# Altium PCB old-CPU-board-multi.PcbDoc (part 1 of 3)
Units mil, origin at the board's own origin, x right, y up, seen from the top; angles counter-clockwise.
Board outline 4897 x 3097 mil, 5 copper layers (L1, L1-2, L2, L3, L4); 329 components, 255 nets, 1009 pads, 327 vias.
Unrouted connection lines stored in the file: 94.
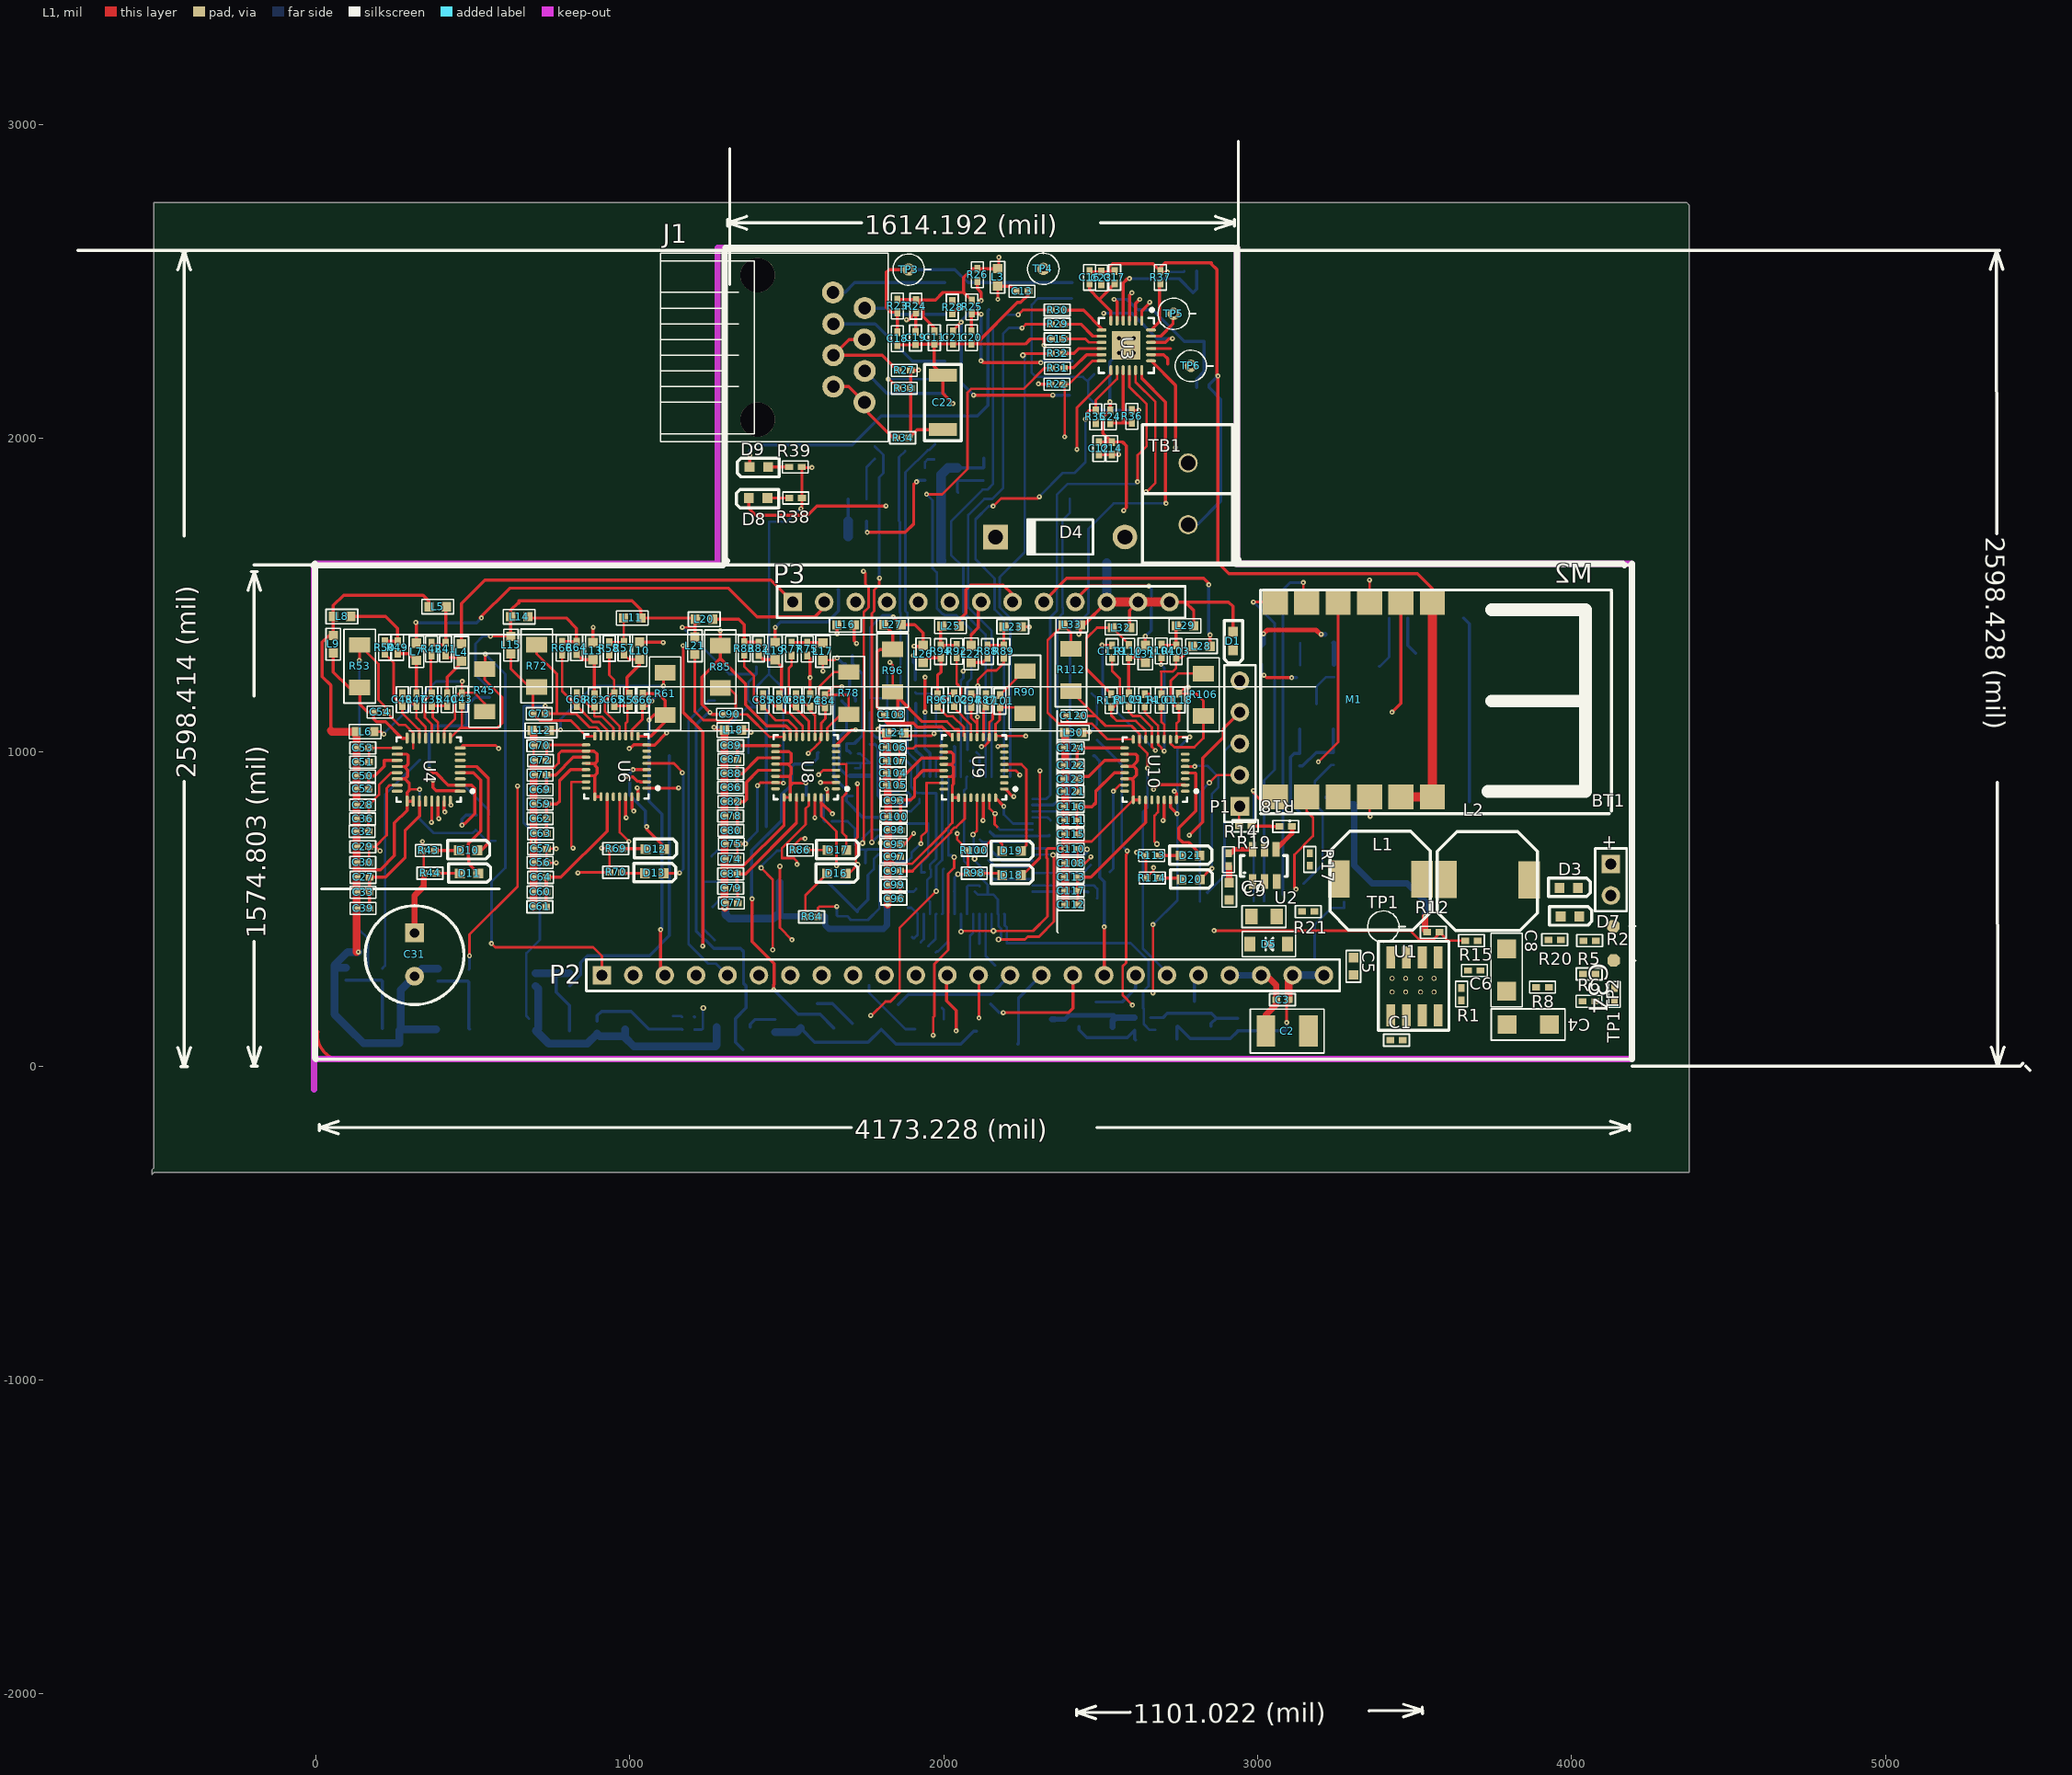
[diagram p0: L1 view]
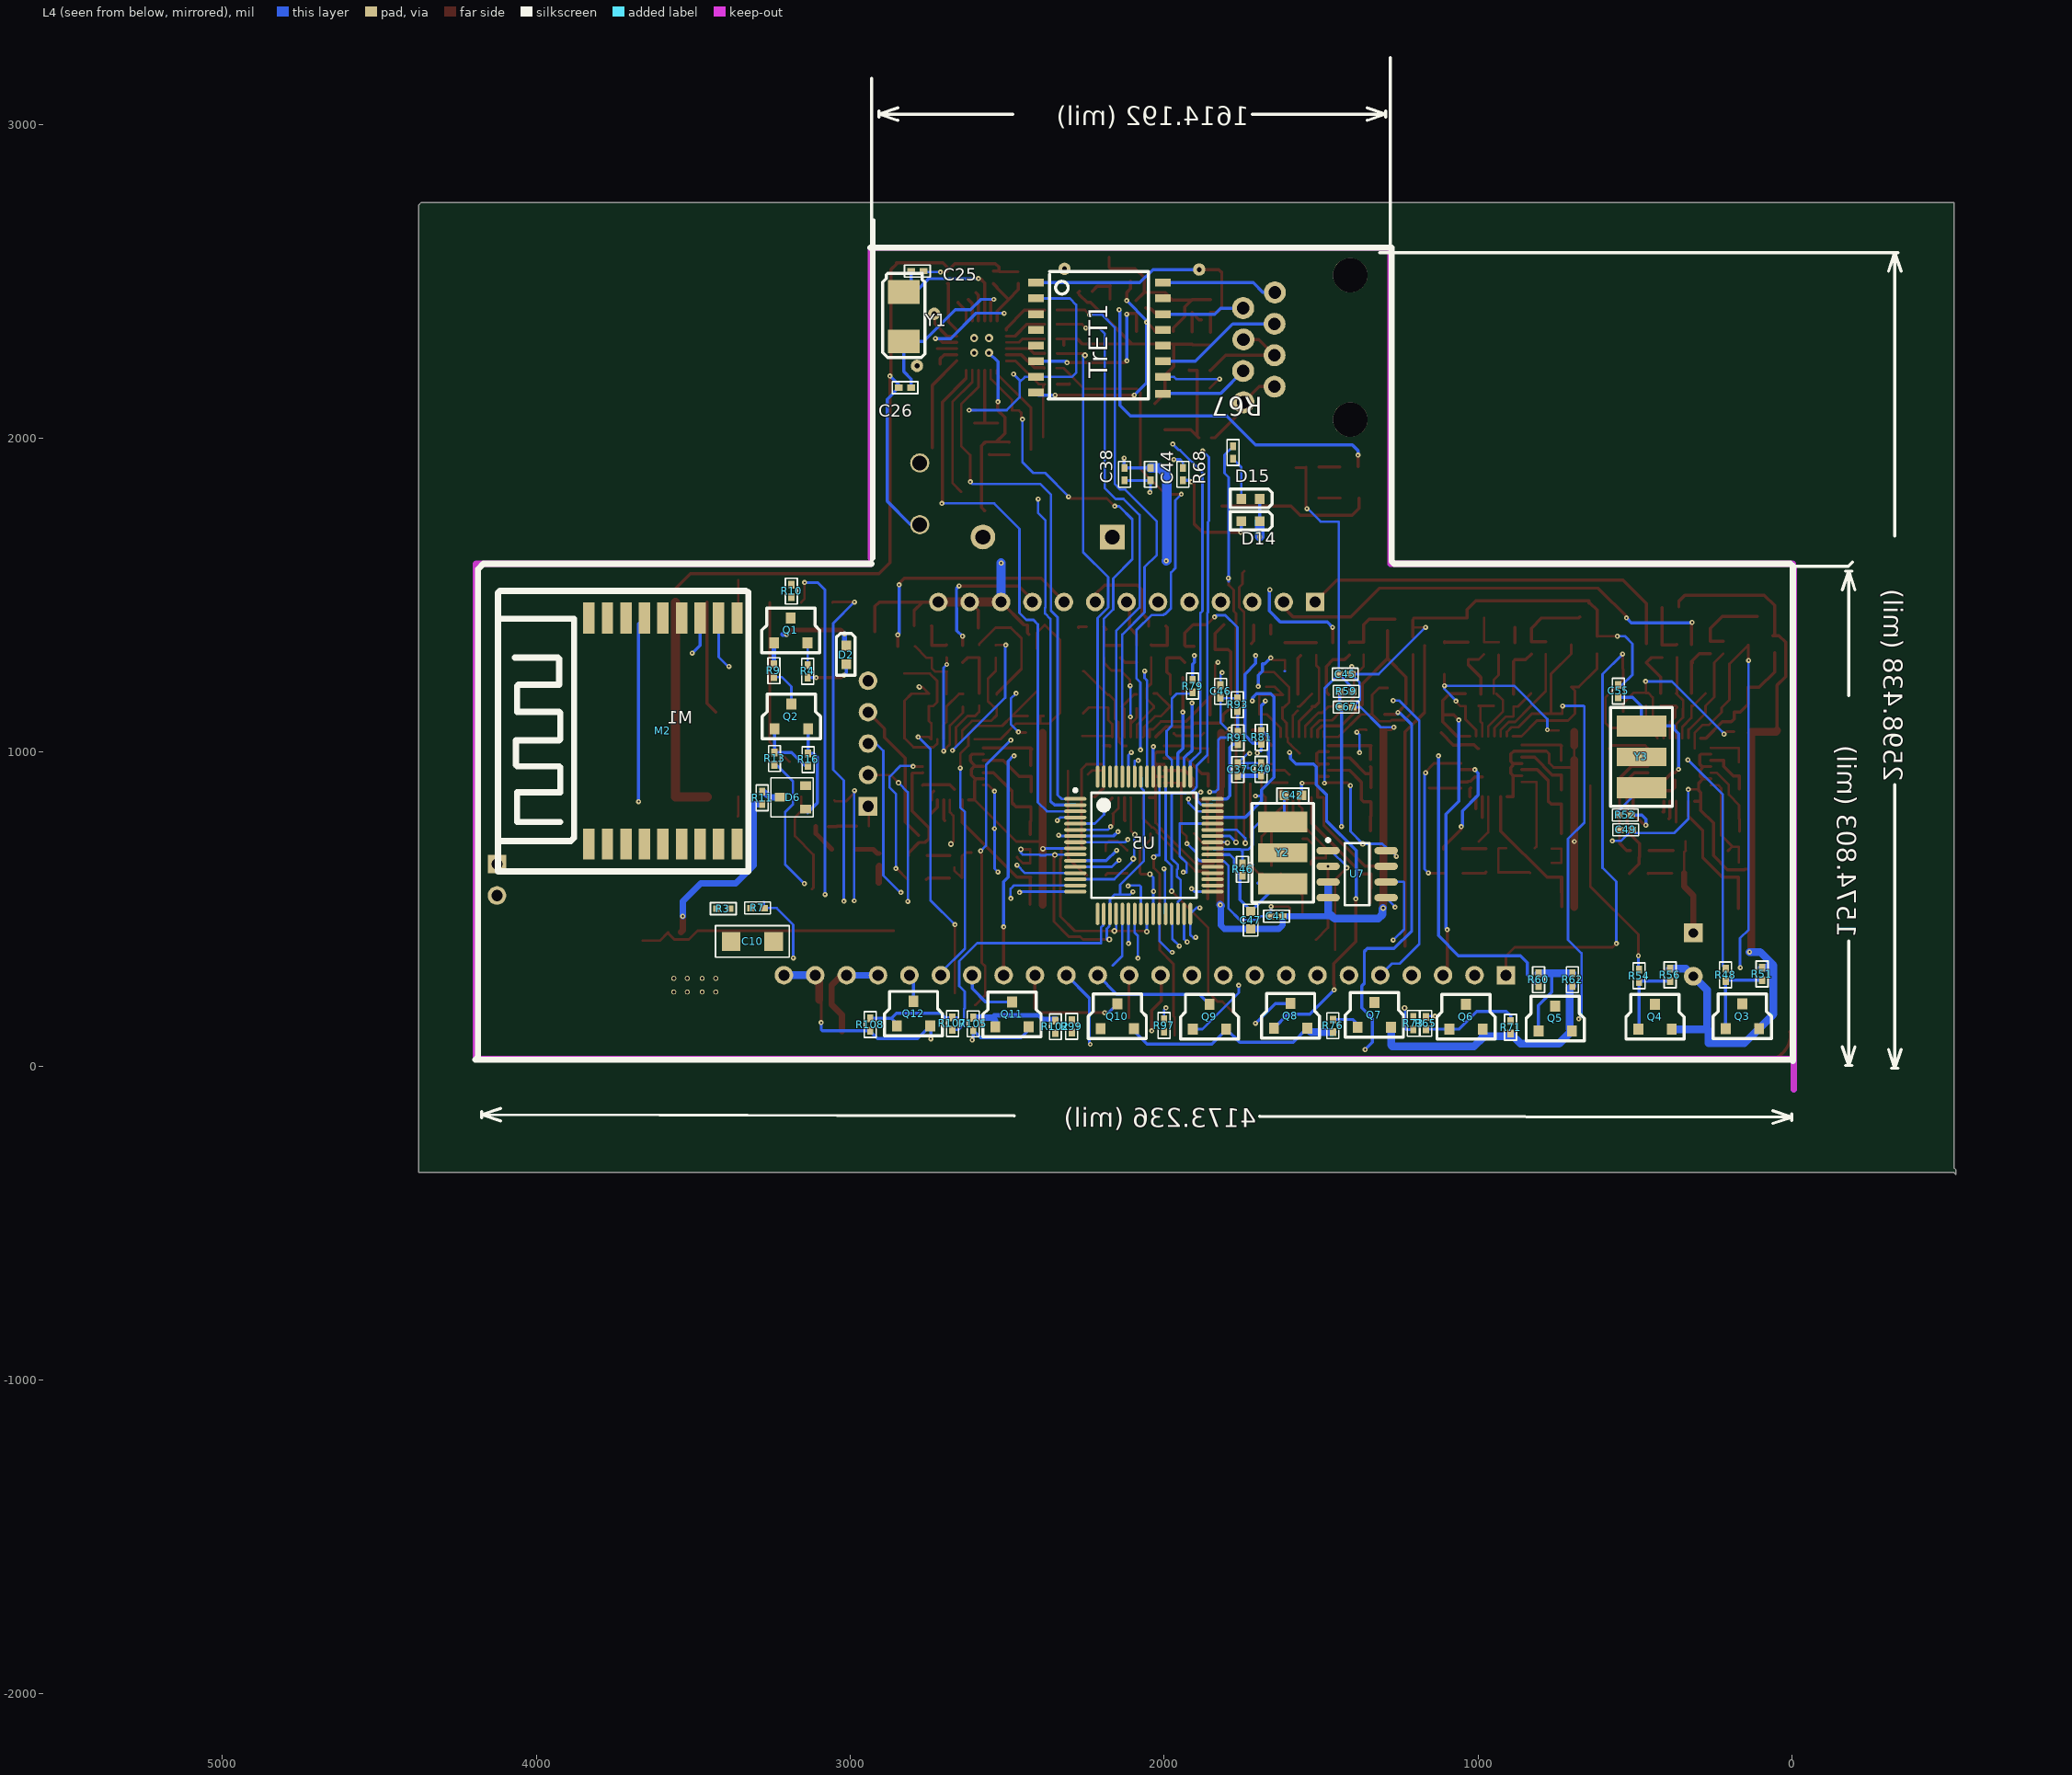
[diagram p1: L4 view, seen from below]
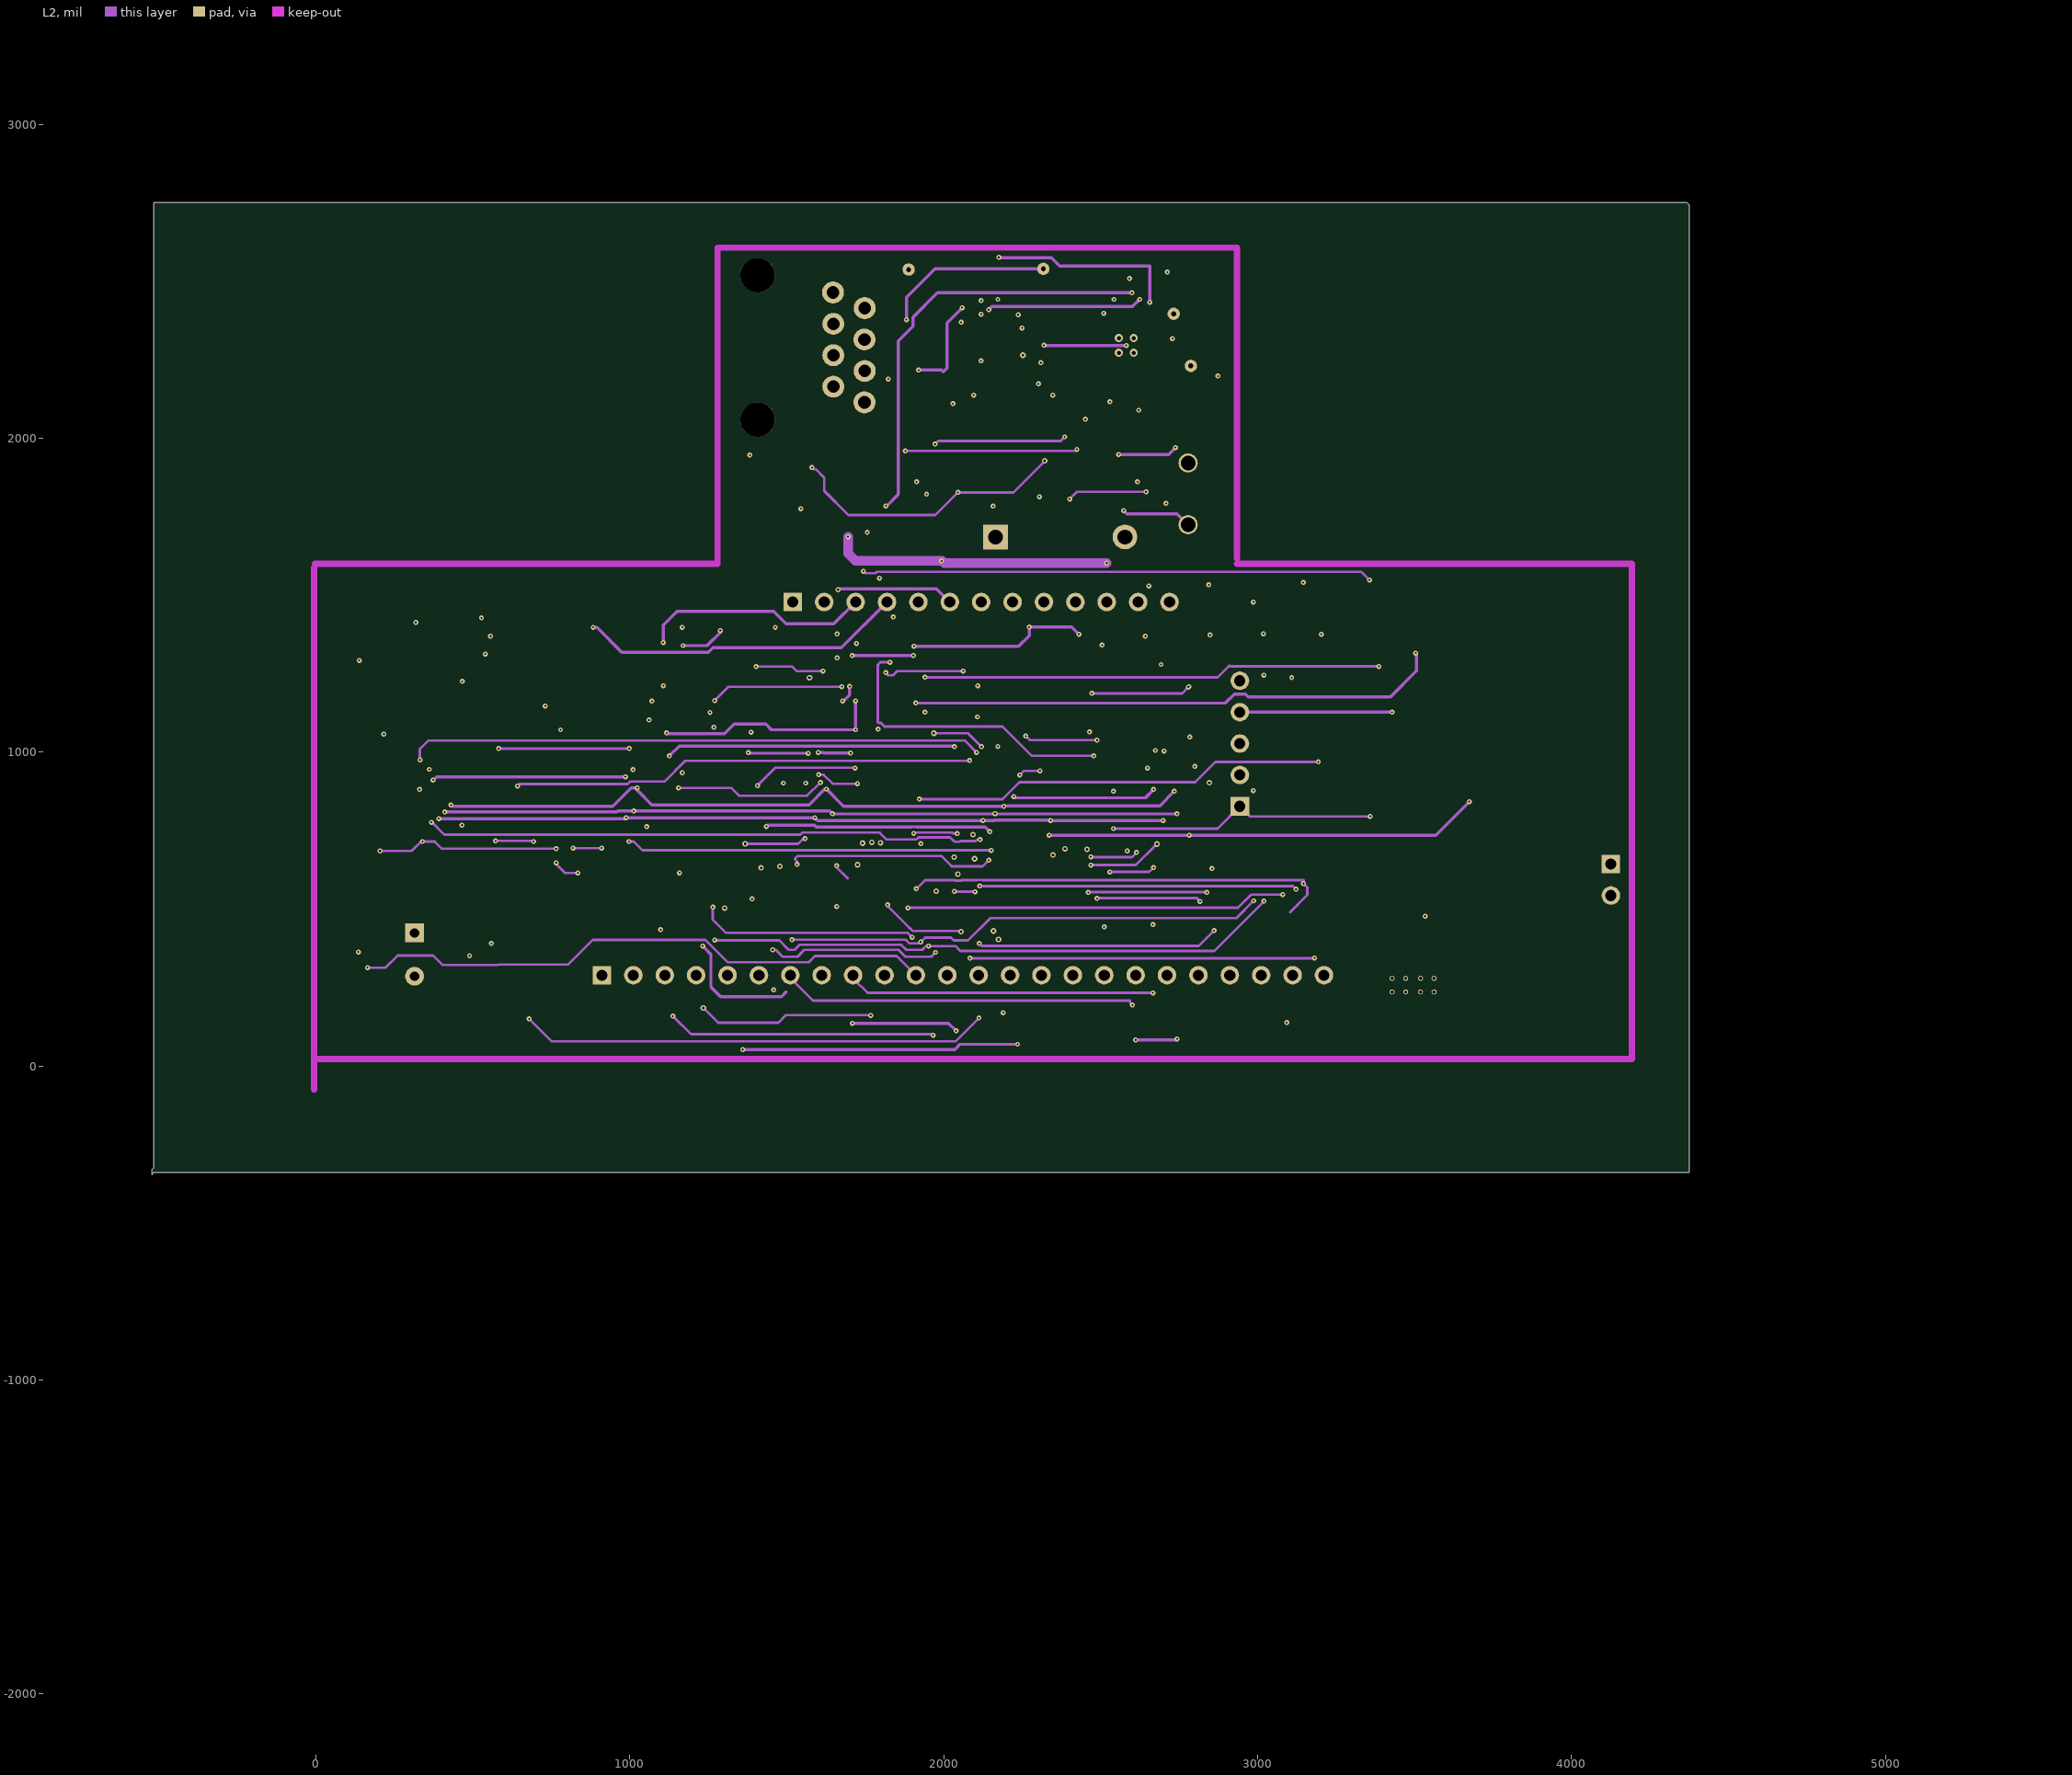
[diagram p2: L2]
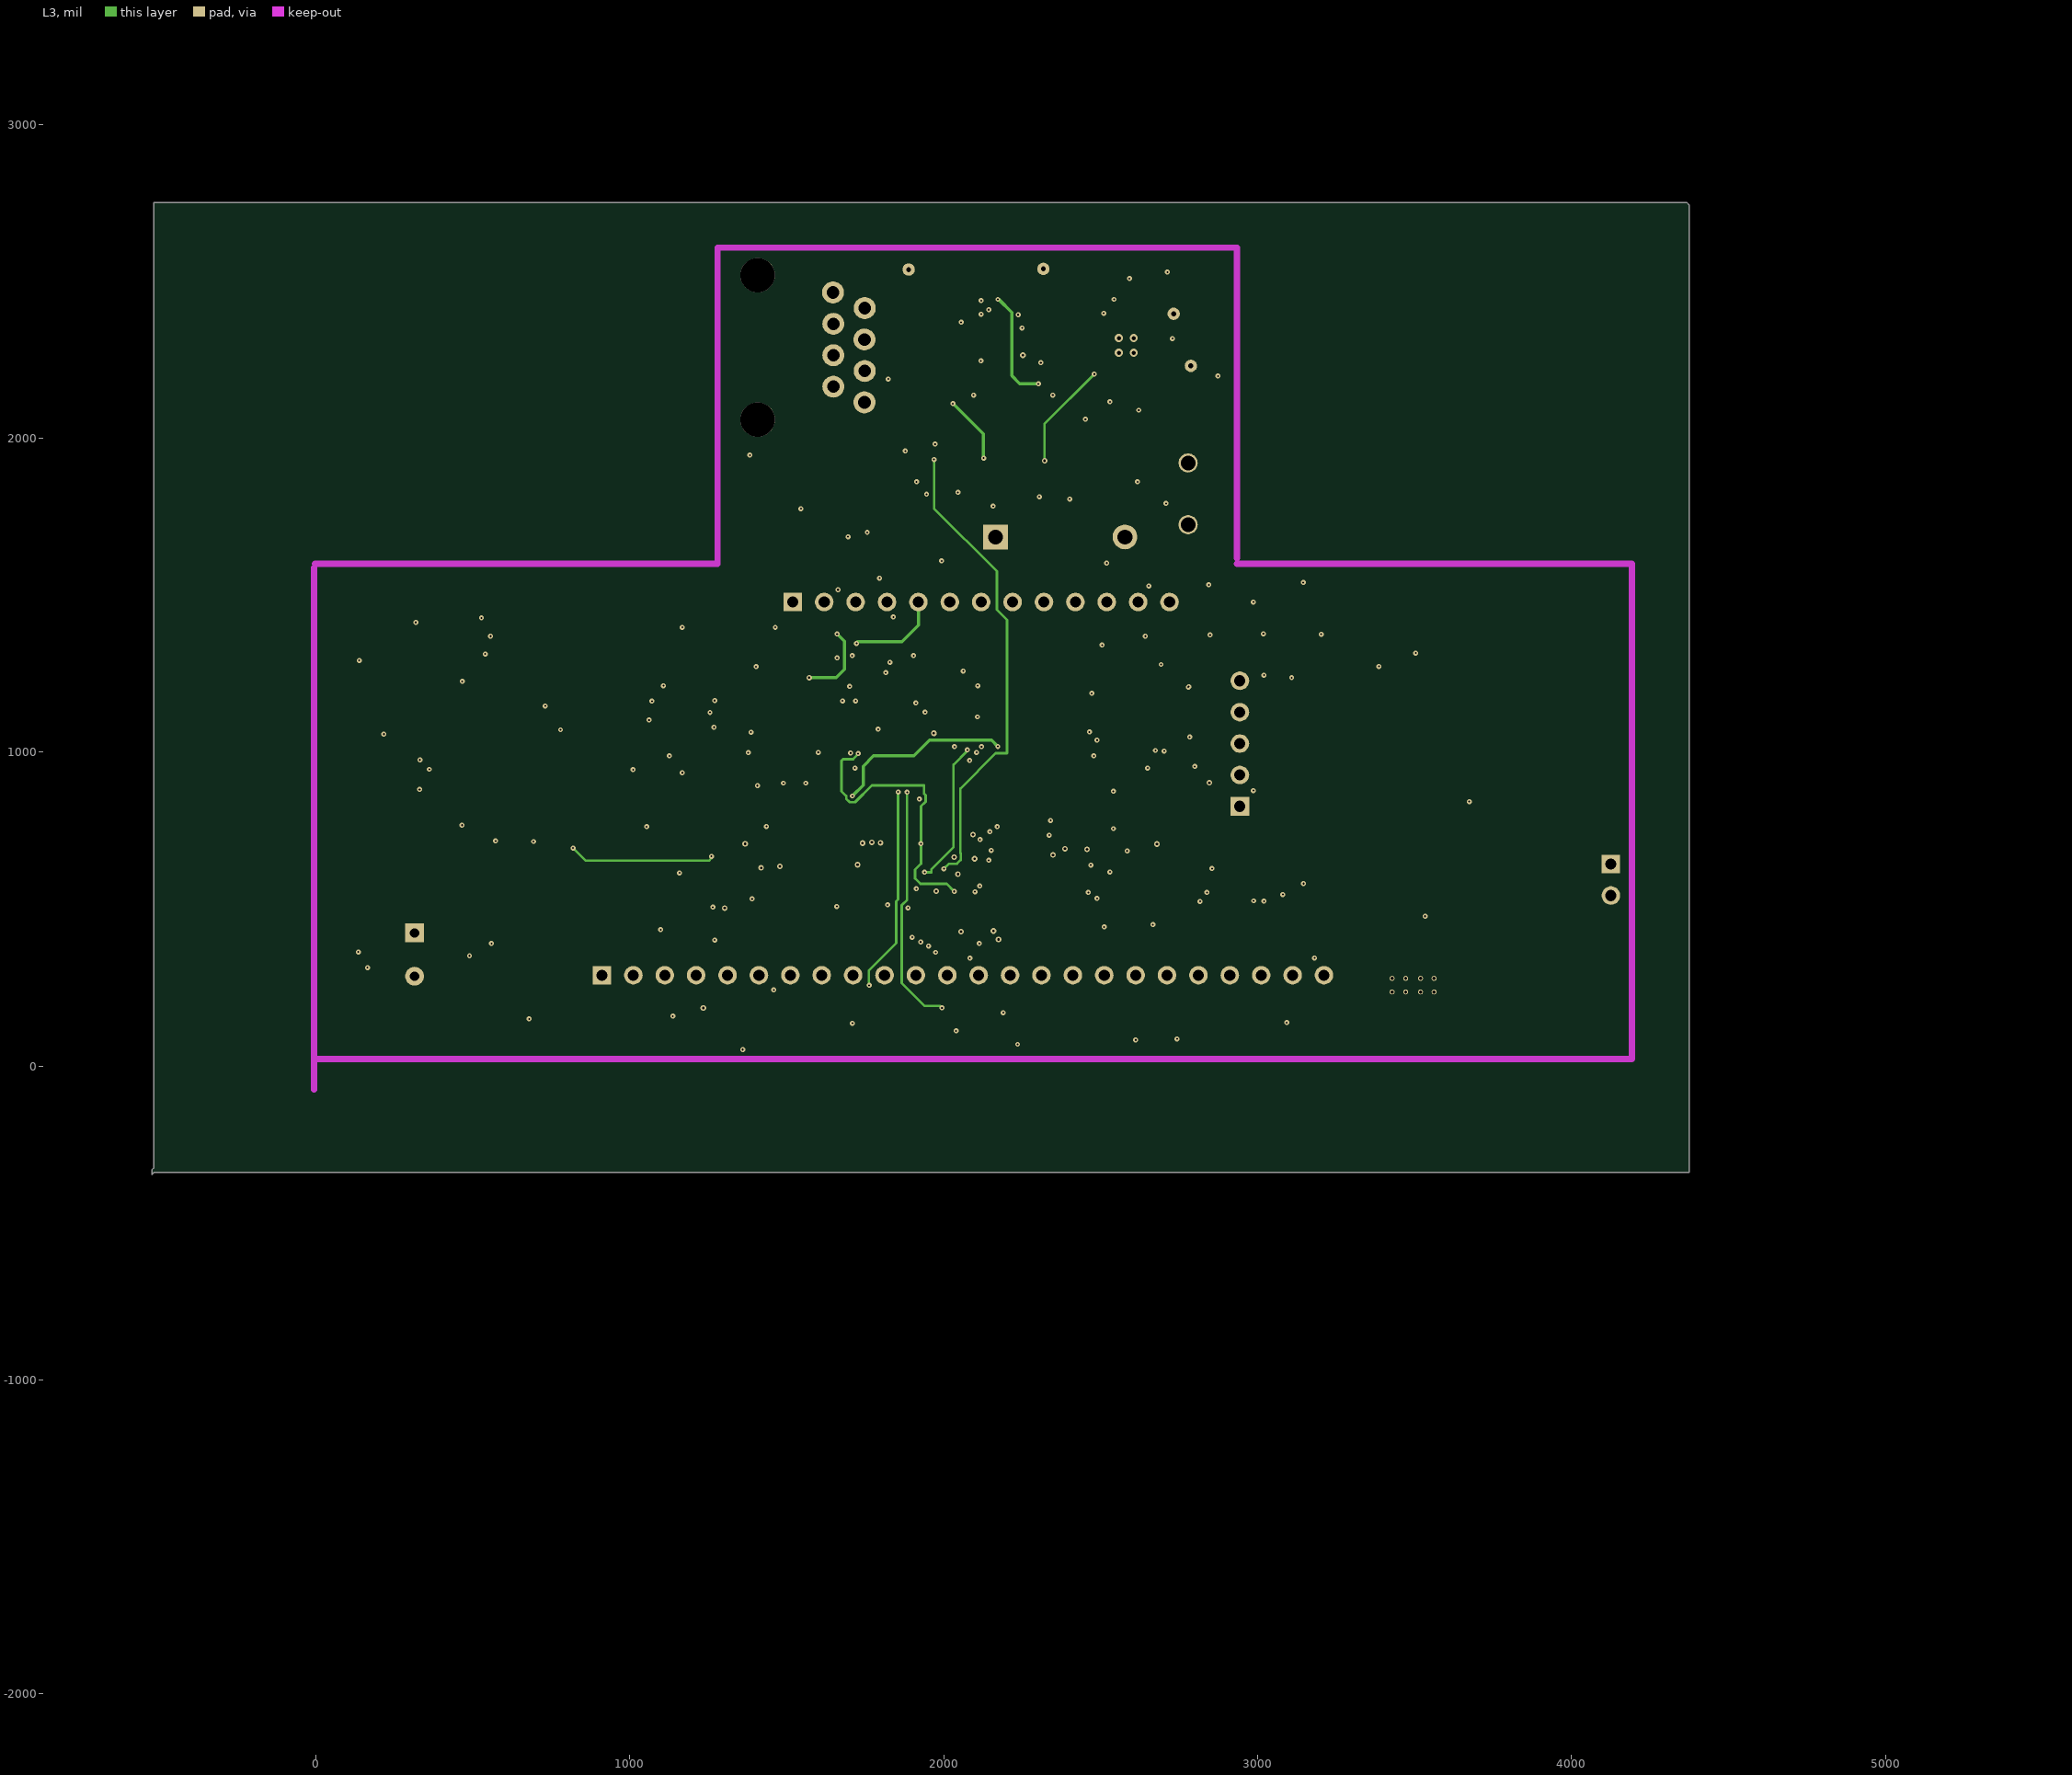
[diagram p3: L3]

## Layer stack, top to bottom
L1: signal copper 1.4
Dielectric: core 12.6, FR-4, Dk 4.8
L1-2: signal copper 1.4
Dielectric: prepreg 12.6, FR-4, Dk 4.8
L2: signal copper 1.4
Dielectric: core 12.6, FR-4, Dk 4.8
L3: signal copper 1.4
Dielectric: prepreg 12.6, FR-4, Dk 4.8
L4: signal copper 1.4

## Board outline
-523,-346 -516,-339 4374,-339 4374,2743 4366,2751 -516,2751 -516,-324 -523,-331
